# Allegro board SG2042_EVB_V2_0.brd (continued)
## Placement (name value [footprint] x y rotation side) (continued)
C1558  22uF_25V  [C0805]  116.05 141.86 0 top
C1559  22uF_25V  [C0805]  116.05 143.61 0 top
C1560  22uF_25V  [C0805]  116.05 145.36 0 top
C1561  100nF_25V  [C0402]  115.9 140.54 0 top
C1562  220pF 50V  [C0402]  110.08 148.31 270 top
C1563  47uF_6.3V  [C0603]  117.83 162.28 0 top
C1564  47uF_6.3V  [C0603]  117.83 163.47 0 top
C1565  47uF_6.3V  [C0603]  117.83 164.67 0 top
C1566  47uF_6.3V  [C0603]  112.8 162.28 180 top
C1567  47uF_6.3V  [C0603]  112.8 163.47 180 top
C1569  100nF_25V  [C0402]  111.81 149.12 90 top
C1580  10uF/6.3V  [C0402_BGA]  115.22 213.05 270 bottom
C1581  10uF/6.3V  [C0402_BGA]  119.25 213.05 270 bottom
C1582  10uF/6.3V  [C0402_BGA]  123.17 213.05 270 bottom
C1583  10uF/6.3V  [C0402_BGA]  125.12 213.05 270 bottom
C1584  10uF/6.3V  [C0402_BGA]  127.07 213.05 270 bottom
C1585  10uF/6.3V  [C0402_BGA]  129.25 213.05 270 bottom
C1586  10uF/6.3V  [C0402_BGA]  104.25 211.05 90 bottom
C1587  10uF/6.3V  [C0402_BGA]  106.43 211.05 90 bottom
C1588  10uF/6.3V  [C0402_BGA]  108.38 211.05 90 bottom
C1589  10uF/6.3V  [C0402_BGA]  110.33 211.05 90 bottom
C1590  10uF/6.3V  [C0402_BGA]  112.28 211.05 90 bottom
C1591  10uF/6.3V  [C0402_BGA]  114.25 211.05 90 bottom
C1592  10uF/6.3V  [C0402_BGA]  118.28 211.05 90 bottom
C1593  10uF/6.3V  [C0402_BGA]  122.2 211.05 90 bottom
C1597  10uF/6.3V  [C0402_BGA]  124.15 211.05 90 bottom
C1598  10uF/6.3V  [C0402_BGA]  126.1 211.05 90 bottom
C1599  10uF/6.3V  [C0402_BGA]  129.25 209.05 270 bottom
C1600  10uF/6.3V  [C0402_BGA]  104.25 207.05 90 bottom
C1601  10uF/6.3V  [C0402_BGA]  106.25 207.05 90 bottom
C1602  10uF/6.3V  [C0402_BGA]  108.25 207.05 90 bottom
C1603  10uF/6.3V  [C0402_BGA]  127.75 207.55 0 bottom
C1604  10uF/6.3V  [C0402_BGA]  116.2 231.05 90 bottom
C1605  10uF/6.3V  [C0402_BGA]  117.3 231.05 270 bottom
C1606  10uF/6.3V  [C0402_BGA]  116.2 229.05 90 bottom
C1610  10uF/6.3V  [C0402_BGA]  116.2 227.05 90 bottom
C1611  10uF/6.3V  [C0402_BGA]  117.3 227.05 270 bottom
C1612  4.7uF_6.3V  [C0402_BGA]  110.33 213.05 90 bottom
C1613  4.7uF_6.3V  [C0402_BGA]  112.28 213.05 90 bottom
C1614  4.7uF_6.3V  [C0402_BGA]  114.25 213.05 90 bottom
C1615  4.7uF_6.3V  [C0402_BGA]  118.28 213.05 90 bottom
C1616  4.7uF_6.3V  [C0402_BGA]  120.25 213.05 90 bottom
C1617  4.7uF_6.3V  [C0402_BGA]  122.2 213.05 90 bottom
C1618  4.7uF_6.3V  [C0402_BGA]  124.15 213.05 90 bottom
C1619  4.7uF_6.3V  [C0402_BGA]  126.1 213.05 90 bottom
C1620  4.7uF_6.3V  [C0402_BGA]  107.4 211.05 270 bottom
C1621  4.7uF_6.3V  [C0402_BGA]  109.35 211.05 270 bottom
C1622  4.7uF_6.3V  [C0402_BGA]  111.3 211.05 270 bottom
C1623  4.7uF_6.3V  [C0402_BGA]  113.25 211.05 270 bottom
C1624  4.7uF_6.3V  [C0402_BGA]  115.22 211.05 270 bottom
C1625  4.7uF_6.3V  [C0402_BGA]  119.25 211.05 270 bottom
C1626  4.7uF_6.3V  [C0402_BGA]  121.22 211.05 270 bottom
C1630  4.7uF_6.3V  [C0402_BGA]  123.17 211.05 270 bottom
C1631  4.7uF_6.3V  [C0402_BGA]  125.12 211.05 270 bottom
C1632  4.7uF_6.3V  [C0402_BGA]  127.07 211.05 270 bottom
C1633  4.7uF_6.3V  [C0402_BGA]  129.25 211.05 270 bottom
C1634  4.7uF_6.3V  [C0402_BGA]  104.25 209.05 90 bottom
C1638  4.7uF_6.3V  [C0402_BGA]  105.25 207.05 270 bottom
C1639  4.7uF_6.3V  [C0402_BGA]  107.25 207.05 270 bottom
C1640  4.7uF_6.3V  [C0402_BGA]  125.75 207.55 0 bottom
C1641  4.7uF_6.3V  [C0402_BGA]  129.25 207.05 270 bottom
C1642  4.7uF_6.3V  [C0402_BGA]  127.75 206.55 180 bottom
C1668  100nF_25V  [C0402]  13.72 159.99 0 bottom
C1669  4.7uF_6.3V  [C0402]  13.72 159.13 0 bottom
C1670  1uF_16V  [C0402]  11.53 157.78 180 top
C1671  100nF_25V  [C0402]  11.53 158.65 180 top
C1672  1uF_16V  [C0402]  15.01 156.51 270 top
C1673  1uF_16V  [C0402]  211.43 214.68 270 top
C1674  22uF_25V  [C0805]  215.85 214.93 270 top
C1675  100nF_25V  [C0402]  214.53 215.09 270 top
C1676  12pF 50V  [C0402]  213.46 212.09 90 top
C1677  47uF_6.3V  [C0603]  214.93 220.93 180 top
C1678  47uF_6.3V  [C0603]  214.93 222.12 180 top
C1699  10uF/6.3V  [C0402_BGA]  116.2 225.05 90 bottom
C1700  10uF/6.3V  [C0402_BGA]  117.3 225.05 270 bottom
C1701  10uF/6.3V  [C0402_BGA]  116.2 223.05 90 bottom
C1702  10uF/6.3V  [C0402_BGA]  117.3 223.05 270 bottom
C1703  10uF/6.3V  [C0402_BGA]  106.43 221.05 90 bottom
C1704  10uF/6.3V  [C0402_BGA]  107.4 221.05 270 bottom
C1705  10uF/6.3V  [C0402_BGA]  108.38 221.05 90 bottom
C1706  10uF/6.3V  [C0402_BGA]  109.35 221.05 270 bottom
C1707  10uF/6.3V  [C0402_BGA]  110.33 221.05 90 bottom
C1708  10uF/6.3V  [C0402_BGA]  121.22 213.05 270 bottom
C1709  10uF/6.3V  [C0402_BGA]  117.3 229.05 270 bottom
C1710  10uF/6.3V  [C0402_BGA]  120.25 211.05 90 bottom
C1711  10uF/6.3V  [C0402_BGA]  111.3 221.05 270 bottom
C1712  10uF/6.3V  [C0402_BGA]  112.28 221.05 90 bottom
C1713  10uF/6.3V  [C0402_BGA]  113.25 221.05 270 bottom
C1714  10uF/6.3V  [C0402_BGA]  114.25 221.05 90 bottom
C1715  10uF/6.3V  [C0402_BGA]  115.22 221.05 270 bottom
C1716  10uF/6.3V  [C0402_BGA]  118.28 221.05 90 bottom
C1717  10uF/6.3V  [C0402_BGA]  119.25 221.05 270 bottom
C1718  10uF/6.3V  [C0402_BGA]  120.25 221.05 90 bottom
C1719  10uF/6.3V  [C0402_BGA]  121.22 221.05 270 bottom
C1720  10uF/6.3V  [C0402_BGA]  122.2 221.05 90 bottom
C1721  10uF/6.3V  [C0402_BGA]  123.17 221.05 270 bottom
C1722  10uF/6.3V  [C0402_BGA]  124.15 221.05 90 bottom
C1723  10uF/6.3V  [C0402_BGA]  125.12 221.05 270 bottom
C1724  10uF/6.3V  [C0402_BGA]  126.1 221.05 90 bottom
C1725  10uF/6.3V  [C0402_BGA]  127.07 221.05 270 bottom
C1726  10uF/6.3V  [C0402_BGA]  116.2 219.05 90 bottom
C1727  10uF/6.3V  [C0402_BGA]  117.3 219.05 270 bottom
C1728  10uF/6.3V  [C0402_BGA]  116.2 217.05 90 bottom
C1729  10uF/6.3V  [C0402_BGA]  117.3 217.05 270 bottom
C1730  10uF/6.3V  [C0402_BGA]  116.2 215.05 90 bottom
C1731  10uF/6.3V  [C0402_BGA]  117.3 215.05 270 bottom
C1732  10uF/6.3V  [C0402_BGA]  116.2 213.05 90 bottom
C1733  10uF/6.3V  [C0402_BGA]  117.3 213.05 270 bottom
C1734  10uF/6.3V  [C0402_BGA]  116.2 211.05 90 bottom
C1735  10uF/6.3V  [C0402_BGA]  117.3 211.05 270 bottom
C1736  10uF/6.3V  [C0402_BGA]  129.75 216.55 180 bottom
C1737  10uF_6.3V  [C0402]  55.6 115.47 0 top
C1738  100nF_25V  [C0402]  53.9 115.47 180 top
C1743  100nF_25V  [C0402]  55.09 128.12 0 top
C1744  100nF_25V  [C0402]  52.2 116.33 180 top
C1745  22uF_10V  [C0603]  53.34 129.87 90 top
C1746  22uF_10V  [C0603]  54.53 129.87 90 top
C2000  12pF_50V  [C0402]  23.9 65.68 90 top
C2001  12pF_50V  [C0402]  23.9 63.96 270 top
C2010  100nF_25V  [C0402]  19.1 69.82 0 top
C3143  100nF_25V  [C0402]  120.4 265.58 180 top
C3146  100nF_25V  [C0402]  209.6 250.9 90 top
C3149  47uF_6.3V  [C0603]  39.45 227.1 270 top
C3151  100nF_25V  [C0402]  40.49 227.3 270 top
C3152  100nF_25V  [C0402]  189.87 227.3 270 top
C3153  47uF_6.3V  [C0603]  188.82 227.1 270 top
C3154  47uF_6.3V  [C0603]  191.26 221.51 270 top
C3155  47uF_6.3V  [C0603]  41.88 221.51 270 top
C3159  1uF_16V  [C0402]  118.16 150.72 270 top
C3160  1uF_16V  [C0402]  225.7 261.98 0 top
C3161  22uF_25V  [C0805]  225.45 266.4 0 top
C3162  100nF_25V  [C0402]  225.3 265.07 0 top
C3163  12pF 50V  [C0402]  228.3 264.01 180 top
C3164  47uF_6.3V  [C0603]  219.46 265.48 270 top
C3165  47uF_6.3V  [C0603]  218.26 265.48 270 top
C3174  4.7uF_6.3V  [C0402]  33.83 270.43 0 bottom
C3175  100nF_25V  [C0402]  33.83 269.57 0 bottom
C3230  330uF_30V  [CAP-SMD100-H126]  222.83 216.99 0 top
C3231  100nF_25V  [C0402]  227.28 229.95 90 top
C3232  100nF_25V  [C0402]  223.11 229.84 180 top
C3234  100nF_25V  [C0402]  222.5 233.25 270 top
C3252  4.7uF_6.3V  [C0402]  117.98 44.96 180 bottom
C3253  100nF_25V  [C0402]  117.98 43.71 180 bottom
C3254  100nF_25V  [C0402]  131.8 41.38 90 bottom
C3255  100nF_25V  [C0402]  133.05 41.38 90 bottom
C3256  100nF_25V  [C0402]  129.46 27.56 0 bottom
C3257  100nF_25V  [C0402]  129.46 26.31 0 bottom
C3258  100nF_25V  [C0402]  118.47 27.56 0 bottom
C3259  100nF_25V  [C0402]  118.47 26.31 0 bottom
C3260  100nF_25V  [C0402]  115.65 36.88 270 bottom
C3261  100nF_25V  [C0402]  116.05 39.14 180 bottom
C3262  100nF_25V  [C0402]  115.65 31.8 270 bottom
C3266  100nF_25V  [C0402]  190.78 279.53 0 top
C3267  100nF_25V  [C0402]  224.46 176.5 270 top
C3272  10uF/6.3V  [C0402]  116.05 35.1 180 bottom
C3277  100nF_25V  [C0402]  224.74 130.1 270 top
C3278  100nF_25V  [C0402]  224.74 111.61 270 top
C3279  100nF_25V  [C0402]  205.56 237.21 90 top
C3280  100nF_25V  [C0402]  198.09 232.84 180 top
C3281  100nF_25V  [C0402]  43.94 253.97 270 top
C3282  100nF_25V  [C0402]  68.48 149.76 90 top
C3283  100nF_25V  [C0402]  224.74 125.88 90 top
C3284  100nF_25V  [C0402]  224.74 107.39 90 top
C3285  100nF_25V  [C0402]  205.56 241.43 270 top
C3286  100nF_25V  [C0402]  193.88 232.84 0 top
C3287  100nF_25V  [C0402]  43.94 249.76 90 top
C3289  100nF_25V  [C0402]  43.94 235.59 270 top
C3290  100nF_25V  [C0402]  43.94 239.8 90 top
C3291  100nF_25V  [C0402]  68.25 155.37 270 top
C3294  100nF_25V  [C0402]  55.09 87.48 0 top
C3295  100nF_25V  [C0402]  52.2 75.18 180 top
C3296  22uF_10V  [C0603]  53.34 89.23 90 top
C3297  22uF_10V  [C0603]  54.53 89.23 90 top
C3302  10uF_6.3V  [C0402]  53.9 74.32 180 top
C3303  100nF_25V  [C0402]  53.9 75.18 180 top
C3304  100uF 16V  [C7343]  49.78 112.04 0 top
C3305  100uF 16V  [C7343]  40.26 112.04 180 top
C3306  100uF 16V  [C7343]  44.04 130.71 180 top
C3307  10uF_25V  [C0603]  48.31 115.29 0 top
C3308  100nF_25V  [C0402]  48.11 116.33 180 top
C3309  10uF_6.3V  [C0402]  55.6 74.32 0 top
C3310  100nF_25V  [C0402]  55.6 75.18 0 top
C3311  100uF 16V  [C7343]  40.26 70.89 180 top
C3312  100uF 16V  [C7343]  44.04 90.2 180 top
C3313  100uF 16V  [C7343]  49.78 70.89 0 top
C3314  10uF_25V  [C0603]  48.31 74.14 0 top
C3315  100nF_25V  [C0402]  48.11 75.18 180 top
C3318  470uF_2.5V  [C7343]  115.32 157.02 270 bottom
C3323  1uF_16V  [C0402]  183.95 280.67 270 top
C3324  1uF_16V  [C0402]  183.95 278.59 270 top
C3325  1uF_16V  [C0402]  49.56 280.67 270 top
C3326  1uF_16V  [C0402]  49.56 278.59 270 top
C3334  100nF_25V  [C0402]  225.48 231.39 0 top
C3335  100nF_25V  [C0402]  117.73 29.84 270 bottom
C3356  1uF_16V  [C0402]  22.05 115.77 180 top
C3357  22uF_25V  [C0805]  22.3 111.35 180 top
C3358  100nF_25V  [C0402]  22.45 112.67 180 top
C3359  12pF 50V  [C0402]  19.46 113.74 0 top
C3360  47uF_6.3V  [C0603]  28.3 112.27 90 top
C3361  47uF_6.3V  [C0603]  29.49 112.27 90 top
C3362  100nF_25V  [C0402]  53.9 116.33 180 top
C3366  22uF 25V  [C0805]  95.4 297 90 top
C3367  22uF 25V  [C0805]  95.4 297 90 bottom
C3368  0.1uF 25V  [C0402]  95.02 300.05 270 top
C3369  3.3nF 50V  [C0402]  205.46 294.06 270 top
C3370  4.7uF 6.3V  [C0402]  87.48 297.26 90 top
C3371  0.1uF 25V  [C0402]  92.91 300.63 0 top
C3372  10uF 6.3V  [C0402]  205.49 297.48 270 top
C3373  1uF_16V  [C0402]  207.21 297.48 90 top
C3374  470pF 50V  [C0402]  205.89 298.75 180 top
C3375  0.1uF 25V  [C0402]  90.4 300.63 180 top
C3376  4.7uF 6.3V  [C0402]  205.89 296.21 0 top
C3377  470pF 50V  [C0402]  206.25 289.71 180 top
C3378  470uF 2V  [C7343]  88.65 284.68 90 bottom
C3379  470uF 2V  [C7343]  93.68 284.68 90 bottom
C3381  47uF 6.3V  [C0603]  94.31 279.4 180 top
C3382  47uF 6.3V  [C0603]  94.31 278.21 180 top
C3383  47uF 6.3V  [C0603]  94.31 277.01 180 top
C3384  47uF 6.3V  [C0603]  94.31 275.82 180 top
C3385  0.01uF 25V  [C0402]  195.07 293.73 90 top
C3386  0.1uF 25V  [C0402]  194.21 293.73 90 top
C3405  470pF 50V  [C0402]  205.89 299.62 180 top
C3406  470pF 50V  [C0402]  196.04 289.71 180 top
C3407  3.3nF 50V  [C0402]  195.07 292.02 270 top
C3408  22uF 25V  [C0805]  99.75 144.07 270 top
C3409  22uF 25V  [C0805]  99.75 144.07 270 bottom
C3410  0.1uF 25V  [C0402]  100.13 141.02 90 top
C3411  4.7uF 6.3V  [C0402]  107.67 143.81 270 top
C3412  0.1uF 25V  [C0402]  102.23 140.44 180 top
C3413  0.1uF 25V  [C0402]  104.75 140.44 0 top
C3414  470uF 2V  [C7343]  101.47 154.74 270 bottom
C3415  470uF 2V  [C7343]  106.5 154.74 270 bottom
C3416  470uF 2V  [C7343]  105.51 269.85 0 top
C3417  22uF 25V  [C0805]  105.64 297 90 top
C3418  22uF 25V  [C0805]  105.64 297 90 bottom
C3419  0.1uF 25V  [C0402]  105.26 300.05 270 top
C3420  4.7uF 6.3V  [C0402]  97.71 297.26 90 top
C3421  0.1uF 25V  [C0402]  103.15 300.63 0 top
C3422  0.1uF 25V  [C0402]  100.63 300.63 180 top
C3423  470uF 2V  [C7343]  98.88 284.68 90 bottom
C3424  470uF 2V  [C7343]  103.91 284.68 90 bottom
C3425  470uF 2V  [C7343]  102.18 274.95 0 top
C3426  47uF 6.3V  [C0603]  104.55 278.21 180 top
C3427  47uF 6.3V  [C0603]  104.55 279.4 180 top
C3428  47uF 6.3V  [C0603]  98.25 279.4 0 top
C3429  47uF 6.3V  [C0603]  98.25 278.21 0 top
C3430  22uF 25V  [C0805]  115.87 297 90 top
C3431  22uF 25V  [C0805]  115.87 297 90 bottom
C3432  0.1uF 25V  [C0402]  115.49 300.05 270 top
C3433  4.7uF 6.3V  [C0402]  107.95 297.26 90 top
C3434  0.1uF 25V  [C0402]  113.39 300.63 0 top
C3435  0.1uF 25V  [C0402]  110.87 300.63 180 top
C3436  470uF 2V  [C7343]  109.12 284.68 90 bottom
C3437  470uF 2V  [C7343]  114.15 284.68 90 bottom
C3438  470uF 2V  [C7343]  111.99 274.95 180 top
C3439  47uF 6.3V  [C0603]  108.48 279.4 0 top
C3440  47uF 6.3V  [C0603]  114.78 278.21 180 top
C3441  47uF 6.3V  [C0603]  108.48 278.21 0 top
C3442  47uF 6.3V  [C0603]  114.78 279.4 180 top
C3443  22uF 25V  [C0805]  126.11 297 90 top
C3444  22uF 25V  [C0805]  126.11 297 90 bottom
C3445  0.1uF 25V  [C0402]  125.73 300.05 270 top
C3446  4.7uF 6.3V  [C0402]  118.19 297.26 90 top
C3447  0.1uF 25V  [C0402]  123.62 300.63 0 top
C3448  0.1uF 25V  [C0402]  121.11 300.63 180 top
C3449  470uF 2V  [C7343]  119.35 284.68 90 bottom
C3450  470uF 2V  [C7343]  124.38 284.68 90 bottom
C3451  470uF 2V  [C7343]  121.51 274.95 0 top
C3452  47uF 6.3V  [C0603]  125.02 278.21 180 top
C3453  47uF 6.3V  [C0603]  125.02 279.4 180 top
C3454  47uF 6.3V  [C0603]  118.72 279.4 0 top
C3455  47uF 6.3V  [C0603]  118.72 278.21 0 top
C3456  22uF 25V  [C0805]  136.35 297 90 bottom
C3457  22uF 25V  [C0805]  136.35 297 90 top
C3458  0.1uF 25V  [C0402]  135.97 300.05 270 top
C3459  22uF 25V  [C0805]  146.58 297 90 top
C3460  22uF 25V  [C0805]  146.58 297 90 bottom
C3461  0.1uF 25V  [C0402]  146.2 300.05 270 top
C3462  4.7uF 6.3V  [C0402]  128.42 297.26 90 top
C3463  4.7uF 6.3V  [C0402]  138.66 297.26 90 top
C3464  0.1uF 25V  [C0402]  133.86 300.63 0 top
C3465  0.1uF 25V  [C0402]  144.09 300.63 0 top
C3466  0.1uF 25V  [C0402]  131.34 300.63 180 top
C3467  0.1uF 25V  [C0402]  141.58 300.63 180 top
C3468  470uF 2V  [C7343]  129.59 284.68 90 bottom
C3469  470uF 2V  [C7343]  134.62 284.68 90 bottom
C3470  470uF 2V  [C7343]  131.32 274.95 180 top
C3471  47uF 6.3V  [C0603]  135.25 279.4 180 top
C3472  47uF 6.3V  [C0603]  135.25 278.21 180 top
C3473  47uF 6.3V  [C0603]  128.96 278.21 0 top
C3474  47uF 6.3V  [C0603]  128.96 279.4 0 top
C3475  470uF 2V  [C7343]  144.86 284.68 90 bottom
C3476  470uF 2V  [C7343]  139.83 284.68 90 bottom
C3477  470uF 2V  [C7343]  127.99 269.85 180 top
C3478  47uF 6.3V  [C0603]  139.19 279.4 0 top
C3479  47uF 6.3V  [C0603]  139.19 278.21 0 top
C3480  47uF 6.3V  [C0603]  139.19 277.01 0 top
C3481  47uF 6.3V  [C0603]  139.19 275.82 0 top
C3482  470pF 50V  [C0402]  204.55 289.71 180 top
C3483  470pF 50V  [C0402]  202.84 289.71 180 top
C3484  470pF 50V  [C0402]  201.14 289.71 180 top
C3485  470pF 50V  [C0402]  199.44 289.71 180 top
C3486  470pF 50V  [C0402]  197.74 289.71 180 top
C3507  1uF_16V  [C0402]  123.77 85.5 180 top
C3508  22uF_25V  [C0805]  124.03 81.08 180 top
C3509  100nF_25V  [C0402]  124.18 82.4 180 top
C3510  12pF 50V  [C0402]  121.18 83.46 0 top
C3511  47uF_6.3V  [C0603]  130.05 81.99 90 top
C3512  47uF_6.3V  [C0603]  131.24 81.99 90 top
C5665  1uF_16V  [C0402]  222.28 142.49 0 top
C5666  22uF_25V  [C0805]  222.02 146.91 0 top
C5667  100nF_25V  [C0402]  221.87 145.59 0 top
C5668  12pF 50V  [C0402]  224.87 144.53 180 top
C5669  47uF_6.3V  [C0603]  216.03 146 270 top
C5670  47uF_6.3V  [C0603]  214.83 146 270 top
C5687  100nF_16V  [C0402]  143.23 62.2 0 top
C5688  10pF/50V  [C0402]  136.58 95.07 90 top
C5689  1uF_16V  [C0402]  160.58 91.08 270 top
C5690  1uF_16V  [C0402]  160.58 89.05 90 top
C5691  22uF_10V  [C0603]  146.89 85.47 270 bottom
C5692  22uF_10V  [C0603]  149.73 81.79 180 bottom
C5693  22uF_10V  [C0603]  146.89 79.44 90 bottom
C5694  22uF_10V  [C0603]  144.81 81.81 0 bottom
C5695  22uF_10V  [C0603]  156.84 85.14 270 bottom
C5696  1uF_16V  [C0402]  156.69 88.04 180 bottom
C5697  22uF_10V  [C0603]  138.94 81.05 0 bottom
C5698  22uF_10V  [C0603]  142.49 87.68 180 bottom
C5699  22uF_10V  [C0603]  151.84 76.35 270 bottom
C5700  22uF_10V  [C0603]  152.5 83.01 270 bottom
C5701  100nF_16V  [C0402]  155.8 85.42 270 bottom
C5702  100nF_16V  [C0402]  154.94 85.42 270 bottom
C5703  100nF_16V  [C0402]  150.88 87.63 90 bottom
C5704  100nF_16V  [C0402]  151.74 87.63 90 bottom
C5705  100nF_16V  [C0402]  151.89 85.67 0 bottom
C5706  100nF_16V  [C0402]  151.49 83.85 270 bottom
C5707  100nF_16V  [C0402]  151.89 81.1 0 bottom
C5708  100nF_16V  [C0402]  147.65 87.63 90 bottom
C5709  100nF_16V  [C0402]  146.08 87.63 90 bottom
C5710  100nF_16V  [C0402]  142.65 86.64 180 bottom
C5711  100nF_16V  [C0402]  142.65 85.78 180 bottom
C5712  100nF_16V  [C0402]  142.65 82.63 180 bottom
C5713  100nF_16V  [C0402]  142.65 81.1 180 bottom
C5714  100nF_16V  [C0402]  142.65 80.24 180 bottom
C5715  100nF_16V  [C0402]  142.65 79.38 180 bottom
C5716  100nF_16V  [C0402]  142.65 78.51 180 bottom
C5717  100nF_16V  [C0402]  145.24 76.78 270 bottom
C5718  100nF_16V  [C0402]  146.1 76.78 270 bottom
C5719  100nF_16V  [C0402]  148.51 76.78 270 bottom
C5720  100nF_16V  [C0402]  149.38 76.78 270 bottom
C5721  1uF_16V  [C0402]  141.05 79.43 270 bottom
C5722  1uF_16V  [C0402]  143.84 84 270 bottom
C5723  1uF_16V  [C0402]  144.25 87.63 90 bottom
C5724  1uF_16V  [C0402]  145.11 87.63 90 bottom
C5725  1uF_16V  [C0402]  148.84 87.63 90 bottom
C5726  1uF_16V  [C0402]  149.71 87.63 90 bottom
C5727  1uF_16V  [C0402]  150.47 76.78 270 bottom
C5728  1uF_16V  [C0402]  151.89 78.51 0 bottom
C5729  1uF_16V  [C0402]  144.09 76.78 270 bottom
C5730  1uF_16V  [C0402]  147.65 76.78 270 bottom
C5731  1uF_16V  [C0402]  153.67 84.81 0 bottom
C5732  22uF_10V  [C0603]  156.11 77.8 180 bottom
C5733  100nF_16V  [C0402]  155.7 76 270 bottom
C5734  100nF_16V  [C0402]  154.84 76 270 bottom
C5735  100nF_16V  [C0402]  153.44 76 270 bottom
C5736  100nF_16V  [C0402]  139.47 86 180 bottom
C5737  100nF_16V  [C0402]  140.87 76.02 180 bottom
C5738  22uF_10V  [C0603]  153.95 92.1 180 bottom
C5739  100nF_16V  [C0402]  155.27 90.55 0 bottom
C5740  100nF_16V  [C0402]  155.27 89.69 0 bottom
C5741  100nF_16V  [C0402]  155.27 88.82 0 bottom
C5742  10uF_6.3V  [C0402]  54.2 94.64 180 top
C5743  100nF_16V  [C0402]  54.2 95.5 180 top
C5744  10uF_6.3V  [C0402]  54.2 54 180 top
C5745  100nF_16V  [C0402]  54.2 54.86 180 top
C5746  100nF_16V  [C0402]  48.11 95.5 0 top
C5747  100nF_16V  [C0402]  48.11 108.18 0 top
C5748  22uF_10V  [C0603]  48.31 94.46 0 top
C5749  22uF_10V  [C0603]  45.87 108.36 180 top
C5750  100nF_16V  [C0402]  53.06 108.18 180 top
C5751  100nF_16V  [C0402]  52.2 95.5 180 top
C5752  22uF_10V  [C0603]  55.32 108.36 0 top
C5753  22uF_10V  [C0603]  51.87 94.46 180 top
C5754  100nF_16V  [C0402]  48.11 54.86 0 top
C5755  100nF_16V  [C0402]  48.11 67.54 0 top
C5756  220nF_6.3V  [C0201]  61.4 95.48 270 top
C5759  220nF_6.3V  [C0201]  65.8 95.48 270 top
C5760  22uF_10V  [C0603]  48.31 53.82 0 top
C5761  22uF_10V  [C0603]  45.87 67.72 180 top
C5762  100nF_16V  [C0402]  53.06 67.54 180 top
C5763  100nF_16V  [C0402]  52.2 54.86 180 top
C5764  22uF_10V  [C0603]  55.19 68.61 90 top
C5765  22uF_10V  [C0603]  51.87 53.82 180 top
C5766  220nF_6.3V  [C0201]  60.79 95.48 270 top
C5767  220nF_6.3V  [C0201]  60.79 54.84 270 top
C5768  220nF_6.3V  [C0201]  61.4 54.84 270 top
C5771  220nF_6.3V  [C0201]  65.8 54.84 270 top
C5772  220nF_6.3V  [C0201]  66.4 95.48 270 top
C5773  220nF_6.3V  [C0201]  66.4 54.84 270 top
C5778  220nF_6.3V  [C0201]  69.8 95.48 270 top
C5779  220nF_6.3V  [C0201]  70.4 95.48 270 top
C5782  220nF_6.3V  [C0201]  73.8 95.48 270 top
C5783  220nF_6.3V  [C0201]  74.4 95.48 270 top
C5788  10uF_6.3V  [C0402]  54.2 33.68 180 top
C5789  100nF_16V  [C0402]  54.2 34.54 180 top
C5790  100nF_16V  [C0402]  48.11 34.54 0 top
C5791  100nF_16V  [C0402]  48.11 47.22 0 top
C5792  100nF_16V  [C0402]  55.09 47.22 0 top
C5793  22uF_10V  [C0603]  53.64 48.34 90 top
C5794  22uF_10V  [C0603]  51.87 33.5 180 top
C5800  220nF_6.3V  [C0201]  60.8 34.52 270 top
C5801  220nF_6.3V  [C0201]  61.41 34.52 270 top
C5805  22uF_10V  [C0603]  48.31 33.5 0 top
C5806  22uF_10V  [C0603]  45.87 47.4 180 top
C5807  100nF_16V  [C0402]  52.2 34.54 180 top
C5832  220nF_6.3V  [C0201]  229.49 71.96 0 top
C5833  220nF_6.3V  [C0201]  229.49 72.57 0 top
C5834  220nF_6.3V  [C0201]  229.49 73.58 180 top
C5835  220nF_6.3V  [C0201]  229.49 74.19 180 top
C5836  100nF_16V  [C0402]  219 76.78 90 top
C5837  10uF/6.3V  [C0402]  218.14 76.78 90 top
C5838  10uF/6.3V  [C0402]  219.18 72.9 0 bottom
C5839  15pF/16V  [C0402]  228.19 69.85 90 top
C5840  10nF 50V  [C0402]  218.82 64.26 270 top
C5841  10nF 50V  [C0402]  225.78 64.26 90 top
C5842  100nF_16V  [C0402]  225.43 70.89 180 bottom
C5843  100nF_16V  [C0402]  225.43 68.4 180 bottom
C5844  100nF_16V  [C0402]  219.18 68.17 0 bottom
C5845  100nF_16V  [C0402]  219.18 69.04 0 bottom
C5846  100nF_16V  [C0402]  219.18 69.9 0 bottom
C5847  100nF_16V  [C0402]  221.36 74.27 270 bottom
C5848  100nF_16V  [C0402]  225.43 73.89 180 bottom
C5849  10nF 50V  [C0402]  224.92 64.26 90 top
C5850  100nF_16V  [C0402]  219.18 70.89 0 bottom
C5851  100nF_16V  [C0402]  222.22 74.27 270 bottom
C5852  10nF 50V  [C0402]  219.68 64.26 270 top
C5853  100nF_16V  [C0402]  219.56 74.27 270 bottom
C5854  100nF_16V  [C0402]  222.55 68.02 90 bottom
C5855  10nF 50V  [C0402]  220.85 64.26 270 top
C5856  10nF 50V  [C0402]  223.75 64.26 90 top
C5857  10nF 50V  [C0402]  221.72 64.26 270 top
C5858  10nF 50V  [C0402]  222.88 64.26 90 top
C5859  1nF_50V  [C0402]  238.56 95.12 90 top
C5860  100nF_16V  [C0402]  222.91 79.27 270 top
C5861  100uF_16V  [C7343]  231.95 94.11 90 top
C5862  10uF_25V  [C0603]  236.78 90.96 0 top
C5863  100nF_25V  [C0402]  236.19 97.49 90 top
C5868  100nF_16V  [C0402]  164.08 49.05 0 top
C5869  100nF_16V  [C0402]  164.08 35.79 0 top
C5870  220nF_6.3V  [C0201]  151.76 43.74 0 top
C5871  220nF_6.3V  [C0201]  151.76 43.13 0 top
C5874  220nF_6.3V  [C0201]  151.76 40.74 0 top
C5875  220nF_6.3V  [C0201]  151.76 40.13 0 top
C5878  220nF_6.3V  [C0201]  151.76 37.74 0 top
C5879  220nF_6.3V  [C0201]  151.76 37.13 0 top
C5882  220nF_6.3V  [C0201]  151.76 34.75 0 top
C5883  220nF_6.3V  [C0201]  151.76 34.14 0 top
C5886  100nF_16V  [C0402]  30.66 155.04 0 bottom
C5887  100nF_16V  [C0402]  23.39 148.51 180 bottom
C5888  10nF 50V  [C0402]  30.66 154.18 180 bottom
C5889  10nF 50V  [C0402]  28.45 148.16 90 bottom
C5890  10nF 50V  [C0402]  30.66 150.6 180 bottom
C5891  10nF 50V  [C0402]  24.61 155.42 270 bottom
C5892  10nF 50V  [C0402]  28.22 155.42 270 bottom
C5893  10nF 50V  [C0402]  23.39 149.38 0 bottom
C5894  1uF_25V  [C0402]  21.44 149.28 90 top
C5895  10uF_6.3V  [C0402]  23.39 152.98 0 bottom
C5896  100nF_16V  [C0402]  26.42 155.42 90 bottom
C5897  100nF_16V  [C0402]  30.66 152.4 0 bottom
C5898  100nF_16V  [C0402]  23.39 151.18 180 bottom
C5899  100nF_16V  [C0402]  30.66 147.78 0 bottom
C5900  10nF 50V  [C0402]  25.55 155.42 270 bottom
C5901  10nF 50V  [C0402]  27.28 155.42 270 bottom
C5902  10nF 50V  [C0402]  29.39 155.42 270 bottom
C5903  10nF 50V  [C0402]  30.66 153.26 180 bottom
C5904  10nF 50V  [C0402]  30.66 151.54 180 bottom
C5905  10nF 50V  [C0402]  30.66 149.4 180 bottom
C5906  10nF 50V  [C0402]  27.58 148.16 90 bottom
C5907  10nF 50V  [C0402]  23.39 152.04 0 bottom
C5908  10nF 50V  [C0402]  23.39 150.32 0 bottom
C5909  220nF_6.3V  [C0201]  21.03 152.7 180 top
C5910  100nF_16V  [C0402]  28.3 198.53 0 bottom
C5911  220nF_6.3V  [C0201]  21.03 150.88 0 top
C5912  100nF_16V  [C0402]  28.3 199.39 0 bottom
C5913  220nF_6.3V  [C0201]  21.03 152.1 180 top
C5914  220nF_6.3V  [C0201]  21.03 151.49 0 top
C5915  100nF_16V  [C0402]  21.49 199.36 180 top
C5916  100nF_16V  [C0402]  21.49 198.5 180 top
C5917  100nF_16V  [C0402]  30.38 141.86 0 top
C5918  100nF_16V  [C0402]  28.3 217.27 180 bottom
C5919  100nF_16V  [C0402]  28.3 216.41 180 bottom
C5920  12pF_50V  [C0402]  30.89 144.09 270 top
C5921  12pF_50V  [C0402]  30.89 145.82 270 top
C5922  100nF_16V  [C0402]  21.49 217.27 0 top
C5923  100nF_16V  [C0402]  21.49 216.41 0 top
C5924  100nF_16V  [C0402]  29.03 221.18 0 top
C5925  100nF_16V  [C0402]  29.03 225.48 0 top
C5926  100nF_16V  [C0402]  28.6 219.71 90 top
C5927  22uF_10V  [C0603]  20.8 219.02 270 top
C5928  100nF_16V  [C0402]  19.76 219.23 270 top
C5929  22uF_10V  [C0603]  22 223.32 270 top
C5930  22uF_10V  [C0603]  22 219.02 270 top
C5931  100nF_16V  [C0402]  28.6 224 90 top
C5932  22uF_10V  [C0603]  20.8 223.32 270 top
C5933  100nF_16V  [C0402]  19.76 223.52 270 top
C5981  100nF_25V  [C0402]  177.01 68.68 180 top
C5982  22uF_25V  [C0805]  186.84 72.92 90 top
C5983  22uF_25V  [C0805]  185.09 72.92 90 top
C5984  22uF_25V  [C0805]  183.34 72.92 90 top
C5985  100nF_25V  [C0402]  188.16 72.77 90 top
C5986  220pF 50V  [C0402]  180.39 66.95 0 top
